# Altium PCB WSD_PCB.PcbDoc (part 2 of 2)
Units mm, origin at the board's own origin, x right, y up, seen from the top; angles counter-clockwise.
Board outline 95 x 105 mm, 4 copper layers (Top Layer, Int1 (GND), Int2 (PWR), Bottom Layer), stack 1.369 mm thick; 133 components, 91 nets, 452 pads, 493 vias.
Unrouted connection lines stored in the file: 1.
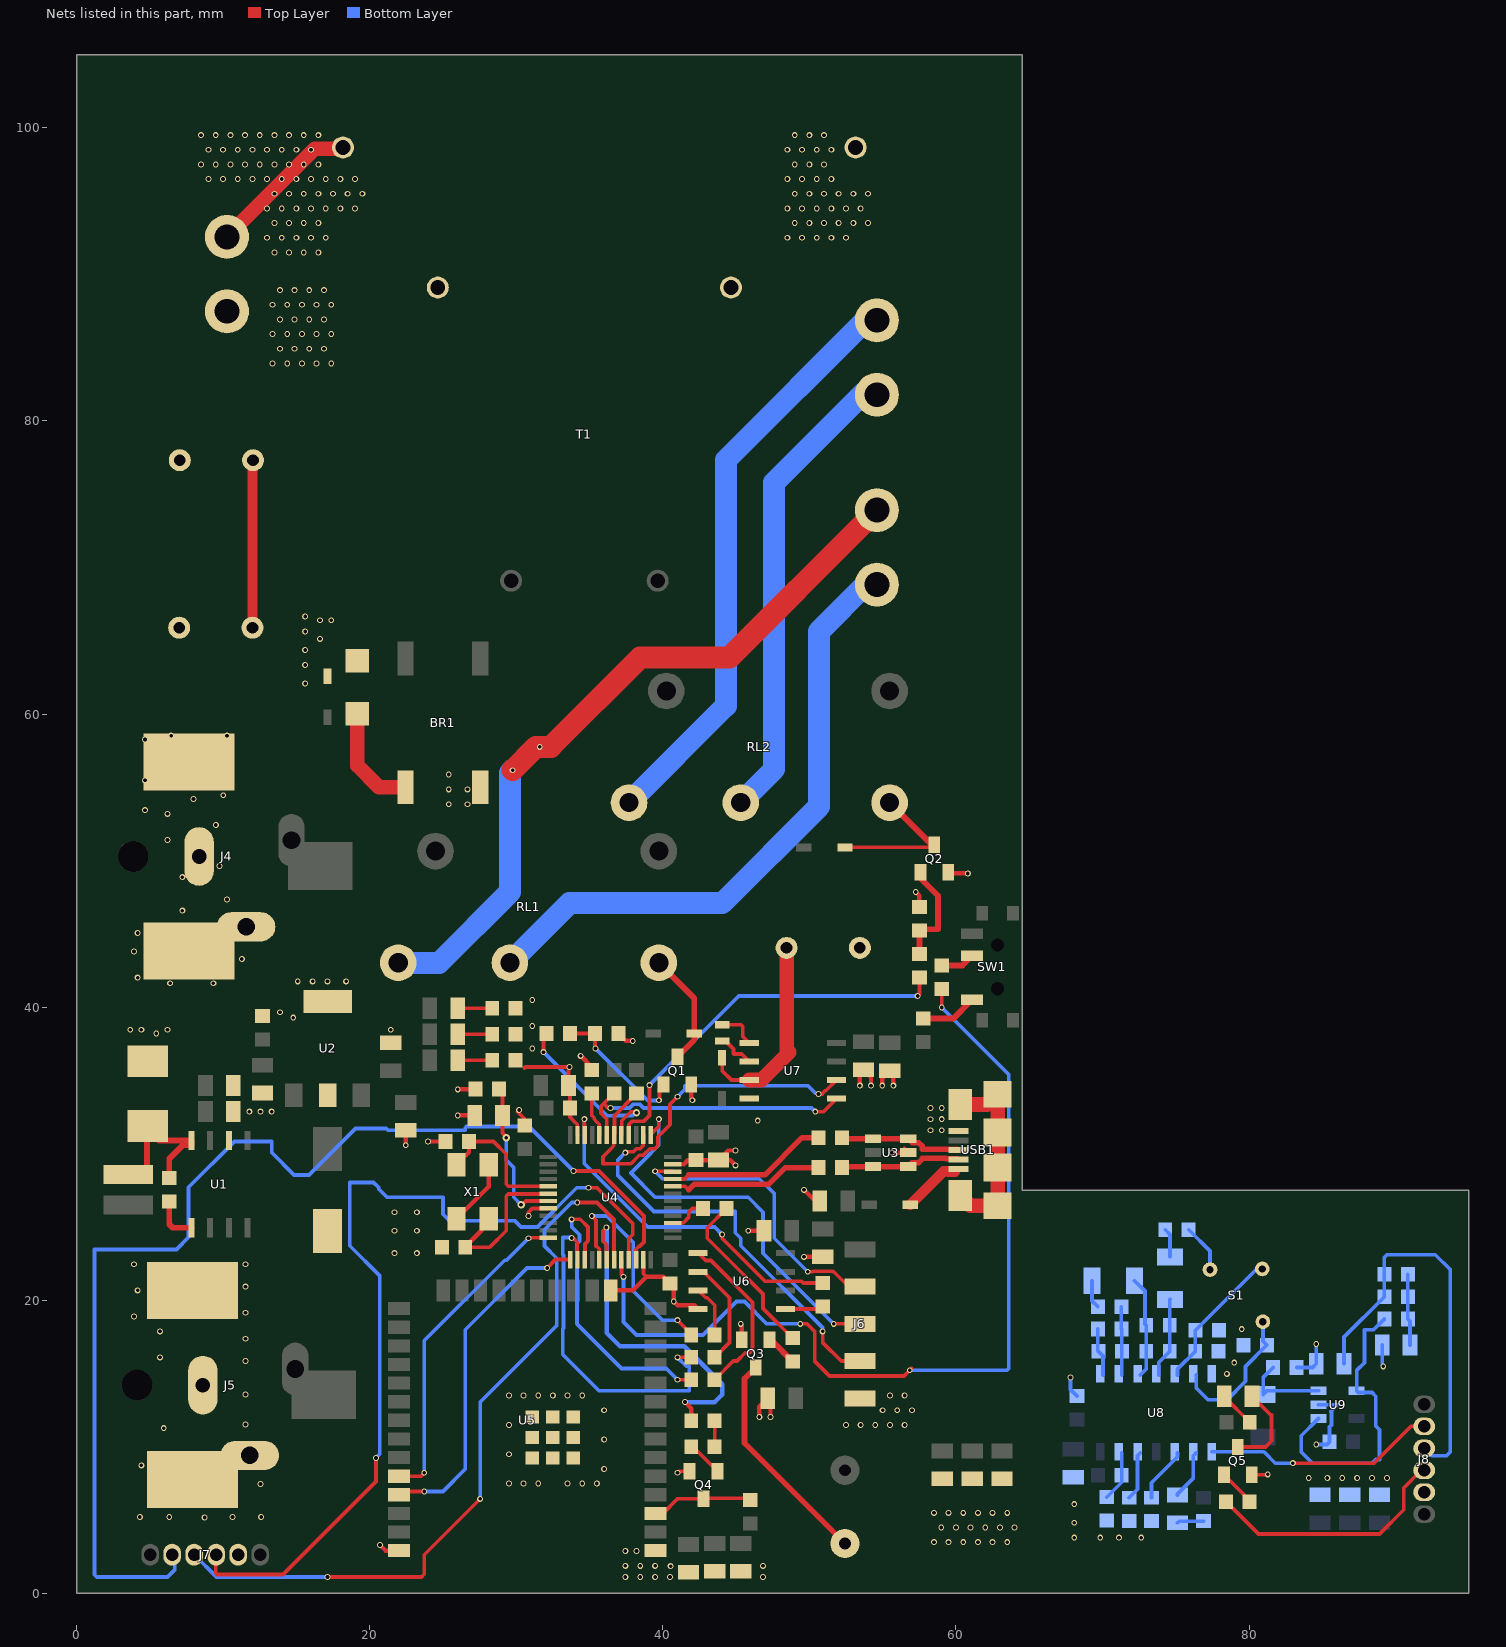
[diagram p4: the nets of this part, all layers, seen from the top]

## Via types
v1: diameter 0.4, hole 0.254, Top Layer to Bottom Layer, tented both sides, 446 vias
v2: diameter 0.5, hole 0.254, Top Layer to Bottom Layer, tented both sides, 45 vias
v3: diameter 0.4, hole 0.254, Top Layer to Bottom Layer, 2 vias

## Nets (pads, with @x,y where several pads share a name; then routed paths per layer and width w, separated by ;. In a path a pad name is that pad's centre, name@x,y a point inside that pad or via, vN(x,y) a via of type N, cw(c..) or ccw(c..) an arc to the next point about the centre after c; other vN are vias at no path point) (continued)
AC_LINE_1: J1.1 R1.1 | length 10.4
  Top Layer w1: J1.1@10.266,92.562 16.266,98.562 18.083,98.562 R1.1@18.179,98.658
  other v1: 13.5,91.5 14.5,91.5 15.5,91.5 16.5,91.5 13,92.5 14,92.5 15,92.5 16,92.5 17,92.5 13.5,93.5 14.5,93.5 15.5,93.5 16.5,93.5 13,94.5 14,94.5 15,94.5 16,94.5 17,94.5 18,94.5 19,94.5 13.5,95.5 14.5,95.5 15.5,95.5 16.5,95.5 17.5,95.5 18.5,95.5 19.5,95.5 9,96.5 10,96.5 11,96.5 12,96.5 13,96.5 14,96.5 15,96.5 16,96.5 17,96.5 18,96.5 19,96.5 8.5,97.5 9.5,97.5 10.5,97.5 11.5,97.5 12.5,97.5 13.5,97.5 14.5,97.5 15.5,97.5 16.5,97.5 9,98.5 10,98.5 11,98.5 12,98.5 13,98.5 14,98.5 15,98.5 16,98.5 8.5,99.5 9.5,99.5 10.5,99.5 11.5,99.5 12.5,99.5 13.5,99.5 14.5,99.5 15.5,99.5 16.5,99.5
AC_LINE_2: J1.2 T1.5
  other v1: 13.378,83.926 14.378,83.926 15.378,83.926 16.378,83.926 17.378,83.926 13.878,84.926 14.878,84.926 15.878,84.926 16.878,84.926 13.378,85.926 14.378,85.926 15.378,85.926 16.378,85.926 17.378,85.926 13.878,86.926 14.878,86.926 15.878,86.926 16.878,86.926 13.378,87.926 14.378,87.926 15.378,87.926 16.378,87.926 17.378,87.926 13.878,88.926 14.878,88.926 15.878,88.926 16.878,88.926
AC_RES: R1.2 T1.1
  other v1: 48.5,92.5 49.5,92.5 50.5,92.5 51.5,92.5 52.5,92.5 49,93.5 50,93.5 51,93.5 52,93.5 53,93.5 54,93.5 48.5,94.5 49.5,94.5 50.5,94.5 51.5,94.5 52.5,94.5 53.5,94.5 49,95.5 50,95.5 51,95.5 52,95.5 53,95.5 54,95.5 48.5,96.5 49.5,96.5 50.5,96.5 51.5,96.5 49,97.5 50,97.5 51,97.5 48.5,98.5 49.5,98.5 50.5,98.5 51.5,98.5 49,99.5 50,99.5 51,99.5
BOOT0: R7.2 U4.44 | length 3.1
  Top Layer w0.254: R7.2@35.158,34.104 35.158,32.618 35.319,32.457 35.319,32.355 35.465,32.21 35.658,32.016 35.658,31.757 35.658,31.752 35.678,31.752 U4.44@35.678,31.279
BR_FUSE: BR1.3 F1.1 | length 7.4
  Top Layer w1: F1.1@19.156,60.028 19.156,56.494 20.637,55.013 BR1.3@22.448,55.013
BUZZER: R12.1 R17.1 | length 11.8
  Top Layer w0.254: R12.1@44.34,26.268 43.032,24.96 43.032,24.236 44.81,22.458 46.842,20.426 46.842,19.448 R17.1@48.874,17.416
BZ_TR_B: Q3.1 R17.2 | length 2.2
  Top Layer w0.4: Q3.1@47.284,17.307 47.383,17.307 R17.2@48.874,15.816
BZ_TR_C: BZ1.2 Q3.3 | length 15.2
  Top Layer w0.4: Q3.3@46.334,15.417 45.572,14.655 45.572,10.266 BZ1.2@52.43,3.408
FUSE_CAP: C1.1 C2.1 D3.1 F1.2 | length 11.4
  Top Layer w0.7: C1.1@12.004,65.892 12.004,77.225 cw(c12.141,77.225) C2.1@12.044,77.322
  other v1: 15.6,62.082 15.6,63.352 15.6,64.368 16.616,65.13 15.6,65.638 16.616,66.4 17.378,66.4 15.6,66.654
GND: BR1.4 C1.2 C2.2 C4.1 C5.1 C6.2 C7.1 C8.1 C9.1 C10.1 C11.1 C12.1 C13.1 C14.1 C15.1 C16.1 C17.1 C18.1 C19.1 C20.1 C21.1 C22.1 C23.1 C24.1 C25.1 C26.1 C27.1 C28.1 C29.1 C30.2 C31.1 C32.1 D4.1 J4.2 J4.3 J5.2 J5.3 J6.5 J7.2 Q1.2 Q2.2 Q3.2 Q4.2 R4.1 R5.1 R7.1 R13.1 R38.1 R39.1 R40.1 U1.6 U2.2 U3.2 U4.8 U4.23 U4.35 U4.47 U5.1 U5.15 U5.38 U5.39 U6.4 U7.4 USB1.5 USB1.SH X1.2 | length 70.9
  Top Layer w0.254: v1(30.199,32.993) 30.078,32.872 30.586,32.364 C18.1@30.586,31.932 ; v1(30.84,25.76) 30.84,26.014 31.086,26.26 32.158,26.26 U4.8@32.178,26.279 ; C15.1@33.568,34.65 33.672,34.546 C20.1@33.672,33.126 33.672,32.502 33.965,32.21 34.158,32.016 34.158,31.299 U4.47@34.178,31.279 ; U4.23@38.678,22.779 38.678,21.812 38.886,21.604 ; U4.35@40.678,29.279 41.404,29.279 41.428,29.303 ; v1(41,8.234) 41.112,8.346 Q4.2@41.828,8.346
  Top Layer w0.3: v3(20.701,3.302) 21.079,2.924 U5.38@21.988,2.924 ; v1(22.458,30.586) C13.1@22.458,31.602 ; v1(23.982,30.84) C21.1@25.176,30.84 ; X1.2@25.93,25.561 28.13,27.761 X1.2@28.13,29.261 ; v1(26.014,32.618) C23.1@27.162,32.618 ; v1(26.014,34.396) 26.032,34.414 R13.1@27.212,34.414 ; 30.562,35.857 30.625,35.92 v1(33.634,35.92) 33.568,35.854 C15.1@33.568,34.65 ; v1(34.396,36.682) 35.158,35.92 R7.1@35.158,35.704 ; U5.15@36.453,20.684 37.966,20.684 38.886,21.604 40.038,21.604 C17.1@40.492,21.15 40.746,20.896 v1(40.746,19.918) 41,19.664 42.162,19.664 U6.4@42.416,19.41 ; R4.1@36.974,38.206 37.482,37.698 v1(37.952,37.698) ; 41.428,29.303 41.44,29.291 41.631,29.483 41.631,29.506 41.695,29.57 C19.1@42.27,29.57 C16.1@43.794,29.57 ; Q1.2@41.95,34.721 41.95,33.7 42.005,33.645 v1(42.016,33.656) ; v1(44.958,29.21) 44.598,29.57 C16.1@43.794,29.57 ; v1(44.958,30.226) 44.45,30.226 C16.1@43.794,29.57 ; v1(45.318,18.394) 45.384,18.328 Q3.2@45.384,17.307 ; v1(45.826,24.744) C32.1@46.908,24.744 ; v1(46.588,12.044) 46.588,12.74 C27.1@47.162,13.314 47.35,13.126 v1(47.35,12.044) ; v1(49.636,22.966) C31.1@50.906,22.966 ; v1(49.636,27.538) 50.398,26.776 C7.1@50.718,26.776 ; v1(53.446,34.65) 53.446,35.478 C29.1@53.7,35.732 54.208,35.224 v1(54.208,34.65) ; v1(54.97,34.65) 54.97,35.158 C28.1@55.478,35.666 55.732,35.412 v1(55.732,34.65) ; v1(55.642,30.078) 56.24,30.078 56.494,30.332 U3.2@56.748,30.078 ; v1(57.256,47.858) 57.51,47.604 R5.1@57.51,46.842 ; Q2.2@59.476,49.199 59.547,49.128 v1(60.812,49.128)
  Top Layer w1: USB1.SH@60.294,27.162 60.994,26.462 USB1.SH@62.844,26.462 USB1.SH@62.844,29.062 USB1.SH@62.844,31.462 USB1.SH@62.844,34.062 62.144,33.362 USB1.SH@60.294,33.362
  other v1: 37.444,1.122 38.46,1.122 39.476,1.122 40.492,1.122 46.842,1.122 40.538,1.864 37.444,1.884 38.46,1.884 39.476,1.884 46.842,1.884 37.444,2.9 38.206,2.9 58.5,3.5 59.5,3.5 60.5,3.5 61.5,3.5 62.5,3.5 63.5,3.5 59,4.5 60,4.5 61,4.5 62,4.5 63,4.5 64,4.5 8.742,5.186 4.32,5.218 6.325,5.218 10.635,5.218 12.598,5.218 58.5,5.5 59.5,5.5 60.5,5.5 61.5,5.5 62.5,5.5 63.5,5.5 12.552,7.472 29.5,7.5 30.5,7.5 31.5,7.5 33.5,7.5 34.5,7.5 35.5,7.5 36,8.5 4.424,8.742 29.5,9.5 36,10.5 5.948,11.282 29.5,11.5 52.5,11.5 53.5,11.5 54.5,11.5 55.5,11.5 56.5,11.5 11.536,11.536 36,12.5 55,12.5 56,12.5 57,12.5 29.5,13.5 30.5,13.5 31.5,13.5 32.5,13.5 33.5,13.5 34.5,13.5 55.5,13.5 56.5,13.5 11.536,13.568 11.536,15.854 5.694,16.108 11.536,17.378 5.694,17.886 3.916,18.902 11.536,19.156 4.17,20.68 11.536,20.934 3.916,22.458 11.536,22.458 21.696,23.22 23.22,23.22 21.696,24.744 23.22,24.744 21.696,26.014 23.22,26.014 58.272,31.602 59.034,31.602 46.482,32.258 58.272,32.355 59.034,32.364 11.79,32.872 12.552,32.872 13.314,32.872 58.272,33.126 59.034,33.126 31.094,37.19 5.44,38.206 3.662,38.46 4.424,38.46 6.202,38.46 21.442,38.46 31.094,38.714 14.782,39.29 13.882,39.66 31.094,40.492 6.389,41.636 9.337,41.636 15.092,41.762 16.108,41.762 17.124,41.762 18.394,41.762 4.17,42.016 11.282,43.286 3.916,43.794 4.17,45.064 7.218,46.588 10.266,47.35 7.218,48.874 9.758,49.636 6.202,51.414 9.504,52.43 6.202,53.192 4.678,53.446 25.4,53.848 26.67,53.848 7.98,54.208 10.012,54.462 25.4,54.864 26.67,54.864 4.678,55.478 25.4,55.88 4.678,58.272 6.456,58.526 10.266,58.526
GND_S: C35.1 C37.2 C39.1 C40.1 C41.1 C42.1 C43.1 C44.1 C45.1 C46.2 C47.1 J8.2 Q5.2 R27.1 R29.1 R31.1 R32.1 R37.1 S1.3 U8.7 U9.2 | length 15.2
  Top Layer w0.254: Q5.2@80.185,8.105 81.257,8.105 v1(81.28,8.128)
  Bottom Layer w0.254: v1(67.818,14.732) 67.818,13.908 C39.1@68.26,13.466 ; R31.1@75.88,24.82 77.335,23.365 S1.3@77.335,22.096 ; R37.1@83.246,15.422 84.328,15.422 C47.1@84.582,15.676 v1(84.582,17.018) ; v1(84.582,10.16) 85.311,10.16 C45.1@85.494,10.342 85.494,11.369 85.62,11.495 85.62,12.369 85.575,12.414 86.04,12.879 86.037,12.882 U9.2@84.74,12.882 ; C46.2@89.083,16.946 89.083,15.565 v1(89.154,15.494)
  other v1: 68.072,3.81 69.85,3.81 71.12,3.81 72.644,3.81 68.072,4.826 68.072,6.096 84.074,7.874 85.344,7.874 86.36,7.874 87.376,7.874 88.392,7.874 89.408,7.874 78.486,14.986 78.994,15.748 79.502,18.034
LDRV_TR_B: Q5.1 R30.2 | length 2.6
  Top Layer w0.254: Q5.1@78.285,8.105 80.035,6.355 R30.2@80.035,6.266
LDRV_TR_C: D7.2 Q5.3 | length 6.1
  Top Layer w0.254: Q5.3@79.235,9.995 81.115,9.995 81.534,10.414 81.534,12.192 81.468,12.192 D7.2@80.198,13.462
LED: D8.2 U8.9 | length 3.4
  Bottom Layer w0.254: D8.2@75.118,6.72 75.118,6.792 76.2,7.874 76.2,9.393 U8.9@76.388,9.58
LED_DRIVER: J7.3 U4.21 | length 62.2
  Top Layer w0.254: J7.3@9.528,2.646 9.504,2.622 9.504,1.376 9.583,1.297 14.078,1.297 20.426,7.645 v1(20.426,9.25) ; v1(34.925,27.686) 35.518,27.686 37.952,25.252 37.952,24.49 37.678,24.216 U4.21@37.678,22.779
  Bottom Layer w0.254: v1(20.426,9.25) 20.68,9.504 20.68,21.696 18.648,23.728 18.648,28.046 20.27,28.046 20.624,27.692 20.624,27.594 21.188,27.03 24.998,27.03 24.998,25.871 25.43,25.439 29.891,25.439 30.332,24.998 31.447,24.998 34.135,27.686 v1(34.925,27.686)
LED_S: J8.3 R30.1 | length 17.1
  Top Layer w0.254: R30.1@78.435,6.266 80.637,4.064 88.9,4.064 90.548,5.712 90.548,7.203 91.751,8.406 J8.3@91.948,8.406
LIGHT_1_GND: J2.2 RL1.3 | length 50
  Top Layer w1.5: v1(29.755,56.171) 31.348,57.764 v1(31.602,57.764) 32.364,57.764 38.46,63.86 44.556,63.86 53.954,73.258 J2.2@53.954,74.02
  Bottom Layer w1.5: RL1.3@21.95,43.032 24.744,43.032 29.57,47.858 29.57,55.986 v1(29.755,56.171)
LIGHT_1_VCC: J2.1 RL1.2 | length 42.1
  Bottom Layer w1.5: RL1.2@29.57,43.032 33.634,47.096 44.048,47.096 50.652,53.7 50.652,65.638 J2.1@53.954,68.94
LIGHT_2_GND: J3.2 RL2.3 | length 40
  Bottom Layer w1.5: RL2.3@37.698,53.954 44.302,60.558 44.302,77.322 J3.2@54.102,87.122
LIGHT_2_VCC: J3.1 RL2.2 | length 31.7
  Bottom Layer w1.5: RL2.2@45.318,53.954 47.604,56.24 47.604,75.798 53.7,81.894 J3.1@53.954,81.894
LM_CB: C3.1 U1.1 | length 3.2
  Top Layer w0.4: C3.1@6.325,26.746 6.325,25.186 6.559,24.952 U1.1@7.849,24.952
LM_VSW: C3.2 D4.2 L1.1 U1.8 | length 11.1
  Top Layer w0.4: L1.1@3.531,28.596 4.351,28.596 4.801,29.046 4.801,31.737 5.636,30.902 U1.8@7.849,30.902 7.849,30.595 7.844,30.59 7.254,30.59 6.325,29.661 C3.2@6.325,28.346
MCU_N: R9.1 U4.32 | length 10.7
  Top Layer w0.254: U4.32@40.678,27.779 41.521,27.779 41.762,27.538
  Top Layer w0.373: 41.762,27.538 42.151,27.927 47.231,27.927 48.366,29.062 R9.1@50.614,29.062
MCU_P: R11.1 U4.33 | length 11.1
  Top Layer w0.254: U4.33@40.678,28.279 41.487,28.279 41.762,28.554
  Top Layer w0.373: 41.762,28.554 46.971,28.554 49.511,31.094 R11.1@50.614,31.094
MCU_RLY_1: R2.1 U4.41 | length 12
  Top Layer w0.254: v1(31.856,36.936) 31.856,37.99 R2.1@32.072,38.206 ; U4.41@37.178,31.279 37.198,31.299 37.198,32.257 37.812,32.872 38.206,32.872 v2(38.206,32.79)
  Bottom Layer w0.254: v1(31.856,36.936) 36.174,32.618 36.186,32.618 36.208,32.596 36.648,32.596 36.67,32.618 37.952,32.618 38.165,32.831 v2(38.206,32.79)
MCU_RLY_2: R3.1 U4.40 | length 26.6
  Top Layer w0.254: U4.40@37.678,31.279 37.678,31.836 37.698,31.856 37.698,32.016 37.891,32.21 38.687,32.21 39.095,32.618 v1(39.095,34.684) ; v3(57.388,40.767) 57.51,40.889 R3.1@57.51,42.016
  Bottom Layer w0.254: v1(39.095,34.684) 45.178,40.767 v3(57.388,40.767) v3@57.423,40.767
NetC34_2: C34.2 R26.1 | length 1.9
  Bottom Layer w0.254: C34.2@69.289,21.342 69.289,19.96 R26.1@69.685,19.564
NetC38_1: C38.1 R31.2 | length 2
  Bottom Layer w0.254: R31.2@74.28,24.82 74.61,24.49 C38.1@74.61,22.968
NetD7_1: D7.1 R25.1 | length 2.5
  Top Layer w0.254: D7.1@78.298,13.462 78.298,13.434 R25.1@80.048,11.684
NetD9_2: D9.2 R38.2 | length 2.4
  Top Layer w0.254: D9.2@26.002,36.374 R38.2@28.362,36.374
NetD10_2: D10.2 R39.2 | length 2.4
  Top Layer w0.254: D10.2@26.002,38.152 R39.2@28.362,38.152
NetD11_2: D11.2 R40.2 | length 2.4
  Top Layer w0.254: D11.2@26.002,39.93 R40.2@28.362,39.93
NetR6_2: R6.2 U4.18 | length 23.8
  Top Layer w0.254: v1(36.148,24.972) 35.92,24.744 35.92,24.033 36.158,23.795 36.158,22.799 U4.18@36.178,22.779
  Top Layer w0.3: v1(41.508,13.06) 41.94,12.628 R6.2@41.94,11.79
  Bottom Layer w0.3: v1(36.148,24.972) 36.174,24.972 36.174,17.779 37.083,16.87 41.46,16.87 44.048,14.282 44.048,13.568 43.54,13.06 v1(41.508,13.06)
NetR12_2: R12.2 U4.27 | length 2.7
  Top Layer w0.254: U4.27@40.678,25.279 41.281,25.279 41.301,25.299 41.415,25.299 41.762,25.646 41.762,26.014 42.016,26.268 R12.2@42.74,26.268
NetR14_1: R14.1 SW1.1 | length 3.9
  Top Layer w0.4: R14.1@57.764,39.222 59.812,39.222 SW1.1@61.094,40.504
NRST: C23.2 R13.2 U4.7 | length 10.5
  Top Layer w0.254: R13.2@28.812,34.414 29.062,34.164 C23.2@29.062,32.618 29.062,31.415 29.316,31.161 v2(29.316,31.094) ; v2(30.332,26.522) 30.399,26.522 30.656,26.779 U4.7@32.178,26.779
  Bottom Layer w0.254: v2(29.316,31.094) 29.316,29.57 29.824,29.062 29.824,27.03 v2(30.332,26.522)
ONOFF_SW: R16.2 SW1.2 | length 2.3
  Top Layer w0.4: R16.2@59.034,42.854 60.444,42.854 SW1.2@61.094,43.504
OP1_N: C36.1 C38.2 R28.1 U8.4 | length 5.5
  Bottom Layer w0.254: U8.4@73.848,14.9 73.848,15.777 R28.1@74.587,16.516 C36.1@74.587,18.294 74.587,20.046 C38.2@74.61,20.068
OP1_O: C34.1 C36.2 R28.2 U8.3 | length 6.9
  Bottom Layer w0.254: C34.1@72.189,21.342 72.898,20.634 72.898,18.384 C36.2@72.987,18.294 R28.2@72.987,16.516 72.987,15.31 U8.3@72.578,14.9
OP2_N: C33.1 R23.1 R26.2 U8.2 | length 4.7
  Bottom Layer w0.254: R26.2@71.285,19.564 R23.1@71.285,18.04 71.323,18.002 C33.1@71.323,16.516 71.308,16.501 U8.2@71.308,14.9
OP2_O: C33.2 R23.2 U8.1 | length 3.3
  Bottom Layer w0.254: R23.2@69.685,18.04 69.685,16.554 C33.2@69.723,16.516 70.038,16.202 U8.1@70.038,14.9
OP_LED: D8.1 R33.1 | length 1.8
  Bottom Layer w0.254: D8.1@75.118,4.82 75.23,4.932 R33.1@76.896,4.932
OP_LED_EN: R29.2 U8.10 | length 3.8
  Bottom Layer w0.254: R29.2@73.34,6.532 73.34,7.554 75.118,9.332 U8.10@75.118,9.58
OP_MOD: R27.2 U8.12 | length 3.4
  Bottom Layer w0.254: R27.2@71.816,6.532 72.39,7.107 72.39,9.393 U8.12@72.578,9.58
OP_NEGtoOUT: R35.2 U9.1 U9.4 | length 20.4
  Bottom Layer w0.254: U9.1@84.74,11.932 83.566,10.759 83.566,9.652 84.328,8.89 88.392,8.89 88.646,9.144 88.9,9.144 88.9,11.176 88.646,11.43 88.646,13.462 88.392,13.716 87.456,13.716 U9.4@87.34,13.832 87.34,15.204 87.884,15.748 87.884,18.001 88.51,18.001 R35.2@89.233,18.724
OP_OSC: C35.2 R24.1 U8.13 | length 3.4
  Bottom Layer w0.254: C35.2@70.292,6.57 71.308,7.586 R24.1@71.308,8.056 U8.13@71.308,9.58
OP_POS: R37.2 RT1.2 U9.3 | length 6
  Bottom Layer w0.254: R37.2@81.646,15.422 80.96,14.736 RT1.2@80.96,13.57 81.222,13.832 U9.3@84.74,13.832
OP_TEMP: C46.1 R34.2 R35.1 R36.2 | length 4.9
  Bottom Layer w0.254: R34.2@90.833,21.772 R36.2@90.833,20.248 R35.1@90.833,18.724 90.983,18.574 C46.1@90.983,16.946
OSC_IN: C21.2 U4.5 X1.1 | length 9.9
  Top Layer w0.254: C21.2@26.776,30.84 28.443,30.84 29.316,29.967 29.316,27.928 29.465,27.779 U4.5@32.178,27.779
  Top Layer w0.3: X1.1@25.93,29.261 25.93,29.436 26.405,29.911 26.58,29.911 26.78,30.111 26.78,30.836 C21.2@26.776,30.84
OSC_OUT: C22.2 U4.6 X1.3 | length 11.2
  Top Layer w0.254: C22.2@26.522,23.63 28.202,23.63 29.316,24.744 29.316,27.111 29.465,27.26 32.158,27.26 U4.6@32.178,27.279
  Top Layer w0.3: C22.2@26.522,23.63 26.522,23.655 27.655,24.788 27.655,25.086 X1.3@28.13,25.561
PIRDETECT: J8.5 U8.8 | length 15.9
  Top Layer w0.254: v1(82.986,8.89) 88.525,8.89 91.041,11.406 J8.5@91.948,11.406
  Bottom Layer w0.254: U8.8@77.47,9.666 81.012,9.666 81.788,8.89 v1(82.986,8.89) v1@83.058,8.89
PIRDETECTOR: J7.5 U4.22 | length 80.3
  Top Layer w0.254: v1(33.909,28.829) 35.645,28.829 38.714,25.76 38.714,23.982 38.442,23.71 38.391,23.71 38.198,23.516 38.198,23.466 38.178,23.446 U4.22@38.178,22.779
  Bottom Layer w0.254: J7.5@6.528,2.646 6.71,2.464 6.71,1.63 6.202,1.122 1.376,1.122 1.225,1.273 1.225,23.474 6.816,23.474 7.644,24.302 7.644,27.71 10.774,30.84 13.314,30.84 13.314,30.078 14.838,28.554 15.854,28.554 19.031,31.731 21.124,31.731 21.253,31.602 26.522,31.602 26.522,31.778 26.612,31.868 30.87,31.868 v1(33.909,28.829)
PYRO_D: C37.1 S1.1 U8.6 | length 9.9
  Bottom Layer w0.254: U8.6@76.388,14.9 76.388,14.036 77.216,13.208 78.486,13.208 79.756,14.478 79.756,15.494 81.208,16.946 C37.1@81.214,16.946 80.945,17.215 S1.1@80.945,18.536
PYRO_S/OP1_P: C41.2 R32.2 S1.2 U8.5 | length 9.9
  Bottom Layer w0.254: U8.5@75.118,14.9 75.118,15.307 R32.2@76.327,16.516 76.327,17.94 C41.2@76.35,17.962 80.528,22.141 S1.2@80.905,22.141
RLY1_TR_B: Q1.1 R2.2 R4.2 | length 9.7
  Top Layer w0.254: R2.2@33.672,38.206 R4.2@35.374,38.206 35.374,37.228 v1(35.412,37.19) ; v1(39.73,33.656) 39.73,33.674 39.777,33.721 39.777,34.448 Q1.1@40.05,34.721
  Bottom Layer w0.254: v1(35.412,37.19) 38.968,33.634 39.73,33.634 v1(39.73,33.656)
RLY1_TR_C: D1.1 Q1.3 RL1.5 | length 7.9
  Top Layer w0.4: RL1.5@39.73,43.032 42.146,40.616 D1.1@42.146,38.206 42.146,37.757 Q1.3@41,36.611
RLY2_TR_B: Q2.1 R3.2 R5.2 | length 7.3
  Top Layer w0.4: R3.2@57.51,43.616 R5.2@57.51,45.242 57.586,45.318 58.78,45.318 58.78,47.604 57.576,48.808 Q2.1@57.576,49.199
RLY2_TR_C: D2.1 Q2.3 RL2.5 | length 10
  Top Layer w0.254: D2.1@52.43,50.906 58.16,50.906 Q2.3@58.343,51.089
  Top Layer w0.4: RL2.5@55.478,53.954 Q2.3@58.343,51.089
RTC_OSCI: U7.1 X2.2 | length 2.7
  Top Layer w0.254: X2.2@44.048,38.798 45.33,38.798 45.446,38.682 45.446,38.024 U7.1@45.899,37.571
RTC_OSCO: U7.2 X2.1 | length 2.6
  Top Layer w0.254: X2.1@44.048,37.698 44.285,37.698 44.825,37.158 44.825,36.833 44.848,36.809 45.391,36.809 U7.2@45.899,36.301
RTC_SCL: R8.2 U4.42 U7.6 | length 25.6
  Top Layer w0.254: R8.2@38.206,34.104 36.698,32.596 36.698,31.299 U4.42@36.678,31.279 36.658,31.26 36.658,30.543 36.465,30.349 35.92,29.804 35.92,29.316 37.823,29.316 38.399,29.892 38.654,29.892 39.111,30.349 39.465,30.349 39.658,30.543 39.658,31.151 40.492,31.985 40.492,33.38 v1(41,33.888) ; v1(50.624,34.084) 50.869,34.084 50.869,34.103 51.062,34.296 51.114,34.296 U7.6@51.849,35.031
  Bottom Layer w0.254: v1(41,33.888) 41.508,34.396 41.508,34.65 49.89,34.65 50.398,34.142
RTC_SDA: R10.2 U4.43 U7.5 | length 20.1
  Top Layer w0.254: U4.43@36.178,31.279 36.178,32.36 35.776,32.762 35.776,33.223 35.974,33.421 ; v1(36.428,33.126) 36.269,33.126 35.974,33.421 ; R10.2@36.682,34.104 36.657,34.104 35.974,33.421 ; v1(50.398,32.872) 50.96,32.872 U7.5@51.849,33.761
  Bottom Layer w0.254: v1(36.428,33.126) 37.722,33.126 37.966,33.37 38.446,33.37 38.69,33.126 50.144,33.126 v1(50.398,32.872)
RTC_VBAT: C30.1 D6.2 U7.3 | length 13.7
  Top Layer w0.254: D6.2@44.048,36.558 44.048,35.666 44.683,35.031 U7.3@45.899,35.031
  Top Layer w1: U7.3@45.899,35.031 46.715,35.031 48.62,36.936 48.446,37.11 C30.1@48.446,44.048
SENSOR_ONOFF: R16.1 U4.20 | length 63.4
  Top Layer w0.254: U4.20@37.178,22.779 37.178,21.748 v1(37.322,21.604) ; v1(49.382,18.394) 49.852,18.394 50.36,17.886 50.36,15.854 51.376,14.838 56.456,14.838 v1(56.847,15.229) v1@56.964,15.346 ; v1(59.034,39.984) R16.1@59.034,41.254
  Bottom Layer w0.254: v1(37.322,21.604) 37.322,18.516 38.206,17.632 42.74,17.632 45.026,19.918 45.572,19.918 47.096,18.394 v1(49.382,18.394) ; v1(56.847,15.229) 63.489,15.229 63.606,15.346 63.606,35.412 v1(59.034,39.984)
SWCLK: J6.3 U4.37 | length 27.3
  Top Layer w0.254: U4.37@39.178,31.279 39.201,31.302 39.201,31.341 39.73,31.87 v1(39.73,32.364) ; v1(51.668,18.394) J6.3@53.446,18.394
  Bottom Layer w0.254: v1(39.73,32.364) 39.73,30.586 38.714,29.57 37.825,28.681 39.476,27.03 45.826,27.03 46.842,26.014 46.842,23.22 v1(51.668,18.394)
SWDIO: J6.2 U4.34 | length 20.3
  Top Layer w0.254: v1(39.476,28.808) 39.932,28.808 39.941,28.799 40.658,28.799 U4.34@40.678,28.779 ; v1(49.89,21.95) 50.226,21.95 50.269,21.993 51.543,21.993 51.586,21.95 51.668,21.95 52.684,20.934 J6.2@53.446,20.934
  Bottom Layer w0.254: v1(39.476,28.808) 39.984,28.3 46.588,28.3 47.604,27.284 47.604,24.236 v1(49.89,21.95)
TDI: J6.4 U4.38 | length 27.5
  Top Layer w0.254: v1(37.444,30.078) 37.507,30.014 37.634,30.141 38.002,30.141 38.209,30.349 38.465,30.349 38.658,30.543 38.658,30.798 38.667,30.806 38.678,30.806 U4.38@38.678,31.279 ; v1(50.906,17.886) 50.906,17.124 52.176,15.854 J6.4@53.446,15.854
  Bottom Layer w0.254: v1(37.444,30.078) 36.936,29.57 36.936,28.513 39.391,26.058 44.94,26.058 44.94,24.614 45.318,24.236 45.318,23.728 50.906,18.14 v1(50.906,17.886)
TEMP_ADC: C47.2 J8.4 R34.1 R36.1 | length 27.9
  Bottom Layer w0.254: C47.2@86.482,15.676 86.482,17.497 R36.1@89.233,20.248 R34.1@89.233,21.772 89.233,22.939 89.408,23.114 92.71,23.114 93.726,22.098 93.726,9.652 93.472,9.398 92.456,9.398 J8.4@91.948,9.906
TEMP_IN_CS: R21.1 U4.14 | length 23.7
  Top Layer w0.254: v1(33.782,24.257) 33.867,24.257 34.158,23.966 34.158,23.516 34.158,22.799 U4.14@34.178,22.779 ; v1(41,16.108) R21.1@41.94,16.108
  Bottom Layer w0.254: v1(33.782,24.257) 33.755,24.284 33.174,24.284 33.174,23.108 33.219,23.063 33.219,18.095 33.174,18.05 33.174,16.314 35.666,13.822 41.801,13.822 41.801,15.508 41.6,15.508 v1(41,16.108)
TEMP_IN_OT: R22.1 U4.46 | length 23.9
  Top Layer w0.254: v1(34.65,32.364) 34.65,32.024 34.658,32.016 34.658,31.299 U4.46@34.678,31.279 ; v1(44.048,24.49) 44.048,24.236 46.981,21.303 49.462,21.303 49.577,21.188 R22.1@50.906,21.188
  Bottom Layer w0.254: v1(34.65,32.364) 34.65,29.316 38.968,24.998 43.54,24.998 v1(44.048,24.49)
TEMP_IN_SCLK: R19.1 U4.15 | length 20.5
  Top Layer w0.254: v1(33.782,25.527) 34.375,25.527 34.904,24.998 34.904,24.058 34.698,23.851 34.698,22.799 U4.15@34.678,22.779 ; v1(41,14.584) R19.1@41.94,14.584
  Bottom Layer w0.254: v1(33.782,25.527) 33.782,25.007 34.312,24.477 34.312,24.037 34.142,23.867 34.142,18.394 37.19,15.346 40.238,15.346 v1(41,14.584)
TEMP_IN_SIO: R20.1 U4.17 | length 15.3
  Top Layer w0.254: v1(35.158,25.76) 35.449,25.469 35.449,23.71 35.463,23.71 35.465,23.71 35.658,23.516 35.658,23.325 35.658,22.799 U4.17@35.678,22.779 ; v1(41,18.648) 41.94,17.708 R20.1@41.94,17.632
  Bottom Layer w0.254: v1(35.158,25.76) 36.174,25.76 37.987,23.947 37.987,20.645 39.984,18.648 v1(41,18.648)
TEMPERATURE_ADC: J7.4 U4.19 | length 52.7
  Top Layer w0.254: v1(17.124,1.122) 23.546,1.122 23.728,1.304 23.728,2.646 v1(27.538,6.456) ; v1(34.163,26.67) 35.518,26.67 36.678,25.51 U4.19@36.678,22.779
  Bottom Layer w0.254: J7.4@8.028,2.646 9.552,1.122 v1(17.124,1.122) ; v1(27.538,6.456) 27.538,13.06 32.762,18.284 32.762,22.874 31.928,23.708 31.928,24.816 33.782,26.67 v1(34.163,26.67)
TMP_CS: R21.2 U6.2 | length 7.4
  Top Layer w0.254: U6.2@42.416,21.95 42.778,21.95 44.556,20.172 44.556,17.124 R21.2@43.54,16.108
TMP_OT: R22.2 U6.5 | length 2.6
  Top Layer w0.3: U6.5@48.366,19.41 50.728,19.41 R22.2@50.906,19.588
TMP_SCLK: R19.2 U6.1 | length 11.8
  Top Layer w0.254: U6.1@42.416,23.22 42.924,22.712 43.286,22.712 46.123,19.875 46.123,19.065 46.114,19.056 46.114,16.615 45.921,16.422 45.632,16.422 45.064,15.854 44.81,15.854 R19.2@43.54,14.584
TMP_SIO: R20.2 U6.3 | length 3.6
  Top Layer w0.254: U6.3@42.416,20.68 42.924,20.172 43.032,20.172 43.54,19.664 R20.2@43.54,17.632
USB_N: R9.2 U3.1 U3.6 USB1.2 | length 8.3
  Top Layer w0.373: R9.2@52.214,29.062 52.28,29.128 U3.6@54.348,29.128 U3.1@56.748,29.128 57.008,29.388 57.459,29.388 57.688,29.617 57.688,29.695 59.31,29.695 59.333,29.672 60.109,29.672 USB1.2@60.169,29.612
USB_P: R11.2 U3.3 U3.4 USB1.3 | length 8.4
  Top Layer w0.373: R11.2@52.214,31.094 52.28,31.028 U3.4@54.348,31.028 U3.3@56.748,31.028 57.008,30.768 57.459,30.768 57.688,30.539 57.688,30.322 60.109,30.322 USB1.3@60.169,30.262
VUSB: D5.1 USB1.1 | length 4
  Top Layer w0.7: D5.1@56.878,26.522 59.162,28.806 59.419,28.806 59.46,28.765 USB1.1@59.919,28.765
WIFI_EN: R6.1 R18.1 | length 1.8
  Top Layer w0.254: R18.1@43.54,10.012 R6.1@43.54,11.79
WIFI_OUT: Q4.3 R15.2 U5.3 | length 6.9
  Top Layer w0.254: U5.3@39.488,5.464 40.008,5.464 41,6.456 Q4.3@42.778,6.456 42.816,6.494 R15.2@45.974,6.494
WIFI_RXD: U4.12 U5.34 | length 22.2
  Top Layer w0.254: U5.34@21.988,8.004 23.498,8.004 v1(23.728,8.234) ; v1(30.84,24.236) 30.883,24.279 U4.12@32.178,24.279
  Bottom Layer w0.254: v1(23.728,8.234) 23.728,17.251 29.21,22.733 29.337,22.733 v1(30.84,24.236)
WIFI_TR_B: Q4.1 R18.2 | length 2.5
  Top Layer w0.254: R18.2@41.94,10.012 42.062,10.012 Q4.1@43.728,8.346
WIFI_TXD: U4.13 U5.35 | length 23.9
  Top Layer w0.254: U5.35@21.988,6.734 22.218,6.964 v1(23.728,6.964) ; v1(32.11,22.204) 32.685,22.779 U4.13@33.678,22.779
  Bottom Layer w0.254: v1(23.728,6.964) 24.998,6.964 26.522,8.488 26.522,17.99 30.736,22.204 v1(32.11,22.204)
pads on no net: J4. J5. J7.6 J8.6 RL1.1 RL2.1 SW1. SW1.3 U1.2 U1.3 U1.5 U4.2 U4.3 U4.4 U4.9 U4.10 U4.11 U4.16 U4.25 U4.26 U4.28 U4.29 U4.30 U4.31 U4.39 U4.45 U5.4 U5.5 U5.6 U5.7 U5.8 U5.9 U5.10 U5.11 U5.12 U5.13 U5.14 U5.16 U5.17 U5.18 U5.19 U5.20 U5.21 U5.22 U5.23 U5.24 U5.25 U5.26 U5.27 U5.28 U5.29 U5.30 U5.31 U5.32 U5.33 U5.36 U5.37 U6.6 U6.7 U7.7 U8.11 USB1.4

## Polygon pours and split planes (outlines as drawn)
12VDC on Top Layer "12VDC_L01_P015" (solid, pour order 15): 26.014,47.096 26.014,52.938 ccw(c25.572,52.497) 25.572,53.121 18.116,53.121 18.116,60.365 ccw(c17.461,60.365) 17.924,60.829 cw(c17.883,60.869) 17.883,60.812 13.06,60.812 13.06,47.096
GND on Top Layer "GND_L01_P022" (solid, pour order 22): 51.414,14.076 57.51,14.076 57.51,11.028 57.51,10.774 57.51,10.52 51.414,10.52
GND on Top Layer "GND_L01_P021" (solid, pour order 21): 16.298,33.19 16.298,39.263 16.325,39.29 18.279,39.29 18.279,33.19 16.271,33.19
GND on Top Layer "GND_L01_P007" (solid, pour order 7): 28.808,13.822 36.428,13.822 36.428,6.964 28.808,6.964
GND on Top Layer "GND_L01_P017" (solid, pour order 17): 58.018,8.488 64.368,8.488 64.368,2.646 58.018,2.646
GND on Top Layer "GND_L01_P016" (solid, pour order 16): 37.19,3.408 40.492,3.408 40.538,3.362 40.538,2.05 46.246,2.05 47.35,2.05 47.35,0.892 37.19,0.892
5VDC on Top Layer "5VDC_L01_P014" (solid, pour order 14): 1.63,27.284 5.44,27.284 5.44,24.998 1.63,24.998
GND on Top Layer "GND_L01_P013" (solid, pour order 13): 14.302,10.266 14.33,10.238 14.33,4.678 3.678,4.678 3.678,4.948 3.678,10.266
GND on Top Layer "GND_L01_P012" (solid, pour order 12): 5.503,10.266 5.503,18.331 5.44,18.394 3.662,18.394 3.662,22.652 3.596,22.718 3.844,22.966 11.79,22.966 11.79,10.3 11.756,10.266
GND on Top Layer "GND_L01_P008" (solid, pour order 8): 21.188,3.408 23.22,3.408 23.22,1.884 22.966,1.63 21.238,1.63 21.238,3.374
5VDC on Top Layer "5VDC_L01_P006" (solid, pour order 6): 11.028,29.824 14.584,29.824 14.584,23.474 11.028,23.474
LM_VSW on Top Layer "LM_VSW_L01_P003" (solid, pour order 3): 1.376,33.096 7.442,33.096 7.472,33.126 7.472,27.792 1.416,27.792 1.376,27.792
12VDC on Top Layer "12VDC_L01_P001" (solid, pour order 1): 10.012,29.824 10.012,36.682 7.726,36.682 7.726,31.677 8.488,31.677 8.488,29.824
GND_S on Bottom Layer "GND_S_L04_P023" (solid, pour order 23): 89.916,6.096 83.566,6.096 83.566,8.382 89.916,8.382
5VDC on Bottom Layer "5VDC_L04_P020" (solid, pour order 20): 51.922,28.046 51.922,22.204 54.97,22.204 54.97,28.046 52.176,28.046
GND on Bottom Layer "GND_L04_P018" (solid, pour order 18): 51.414,14.076 57.51,14.076 57.51,11.028 57.51,10.774 57.51,10.52 51.414,10.52
5VDC on Bottom Layer "5VDC_L04_P019" (solid, pour order 19): 54.716,16.113 54.716,24.49 63.098,24.49 63.098,16.113
GND on Bottom Layer "GND_L04_P011" (solid, pour order 11): 37.19,3.408 40.492,3.408 40.538,3.362 40.538,2.05 46.246,2.05 47.35,2.05 47.35,0.892 37.19,0.892
12VDC on Bottom Layer "12VDC_L04_P000" (solid, pour order 0): 26.014,47.096 26.014,52.938 ccw(c25.572,52.497) 25.572,53.121 18.116,53.121 18.116,60.365 ccw(c17.461,60.365) 17.924,60.829 cw(c17.883,60.869) 17.883,60.812 13.06,60.812 13.06,47.096
5VDC on Bottom Layer "5VDC_L04_P005" (solid, pour order 5): 1.63,27.284 5.44,27.284 5.44,24.998 1.63,24.998
GND on Bottom Layer "GND_L04_P009" (solid, pour order 9): 14.302,10.266 14.33,10.238 14.33,4.678 3.678,4.678 3.678,4.948 3.678,10.266
GND on Bottom Layer "GND_L04_P010" (solid, pour order 10): 5.503,10.266 5.503,18.331 5.44,18.394 3.662,18.394 3.662,22.652 3.596,22.718 3.844,22.966 11.79,22.966 11.79,10.3 11.756,10.266
3V3DC on Int2 (PWR) (split plane): 63.888,3.256 36.53,3.256 36.53,28.554 36.522,28.593 36.5,28.626 36.467,28.648 36.428,28.656 18.75,28.656 18.75,35.818 30.332,35.818 30.371,35.826 30.404,35.848 30.426,35.881 30.434,35.92 30.434,39.378 49.87,39.378 49.89,39.374 49.929,39.382 49.962,39.404 49.984,39.437 49.992,39.476 49.992,55.63 63.888,55.63
5VDC on Int2 (PWR) (split plane): 25.975,37.479 18.14,37.479 18.101,37.471 18.068,37.449 18.046,37.416 18.038,37.377 18.038,27.538 18.046,27.499 18.068,27.466 18.101,27.444 18.14,27.436 23.372,27.436 23.372,10.368 1.478,10.368 1.478,38.866 25.975,38.866
12VDC on Int2 (PWR) (split plane): 94.386,0.718 65.888,0.718 65.888,26.837 94.386,26.837
no net on Int2 (PWR) (split plane): 64.006,104.267 0.51,104.267 0.51,104.49 64.006,104.49
12VDC on Int2 (PWR) (split plane): 64.006,55.831 63.99,55.834 49.89,55.834 49.851,55.826 49.818,55.804 49.796,55.771 49.788,55.732 49.788,39.582 30.332,39.582 30.293,39.574 30.26,39.552 30.238,39.519 30.23,39.48 30.23,36.022 18.648,36.022 18.609,36.014 18.576,35.992 18.554,35.959 18.546,35.92 18.546,28.554 18.554,28.515 18.576,28.482 18.609,28.46 18.648,28.452 36.326,28.452 36.326,3.154 36.334,3.115 36.356,3.082 36.389,3.06 36.428,3.052 63.99,3.052 64.029,3.06 64.062,3.082 64.084,3.115 64.092,3.154 64.092,27.216 64.155,27.139 64.232,27.076 64.321,27.028 64.416,26.999 64.516,26.99 65.582,26.99 65.575,26.978 65.567,26.939 65.575,26.9 65.597,26.867 65.63,26.845 65.669,26.837 65.684,26.837 65.684,0.616 65.692,0.577 65.714,0.544 65.747,0.522 65.786,0.514 94.488,0.514 94.49,0.515 94.49,0.51 0.51,0.51 0.51,65.532 29.591,65.532 29.591,60.96 33.655,60.96 33.655,65.532 64.006,65.532
GND_S on Int1 (GND) (split plane): 94.386,0.61 65.888,0.61 65.888,26.822 94.386,26.822
GND on Int1 (GND) (split plane): 64.006,27.5 64.015,27.4 64.044,27.305 64.092,27.216 64.155,27.139 64.232,27.076 64.321,27.028 64.416,26.999 64.516,26.99 65.71,26.99 65.692,26.963 65.684,26.924 65.684,0.51 0.51,0.51 0.51,104.49 64.006,104.49

## Keep-outs
Keep-Out Layer:
  the board outline again, w0.5

## Other copper
Top Layer:
  region net GND: 45.251,33.915 45.339,33.827 45.339,32.004 47.117,32.004 47.117,34.036 45.339,34.036 45.339,33.274
  region net AC_BR_1: 26.014,64.114 cw(c28.3,64.114) 28.3,66.4 35.412,66.4 ccw(c35.412,67.924) 36.936,67.924 36.936,69.194 cw(c39.476,69.194) 39.476,71.734 41.254,71.734 cw(c41.254,71.226) 41.762,71.226 41.762,66.4 cw(c41,66.654) 40.746,65.892 36.174,65.638 ccw(c36.428,63.098) 33.888,62.844 cw(c32.11,62.844) 32.11,61.066 26.268,61.066 cw(c26.268,61.32) 26.014,61.32 26.014,61.828
  region net AC_BR_2: 21.696,61.066 ccw(c21.696,63.352) 23.982,63.352 23.982,64.876 cw(c26.522,64.876) 26.522,67.416 29.316,67.416 ccw(c29.316,69.956) 31.856,69.956 ccw(c30.84,69.956) 30.84,70.972 22.458,70.972 ccw(c22.458,69.194) 20.68,69.194 20.68,62.082 ccw(c21.696,62.082)
  region net FUSE_CAP: 16.324,61.443 19.56,61.443 ccw(c19.56,61.861) 19.856,61.565 ccw(c18.48,62.941) 20.426,62.941 20.426,64.995 ccw(c19.923,64.995) 20.279,65.35 19.211,66.418 ccw(c17.415,64.622) 17.415,67.162 11.028,67.162 10.7,66.834 ccw(c11.133,66.4) 10.52,66.4 10.52,62.187 ccw(c11.387,62.187) 10.774,61.574 ccw(c10.914,61.714) 10.914,61.516 16.324,61.516
  region net AC_RES: 42.016,98.15 cw(c44.556,98.15) 44.556,100.69 52.938,100.69 cw(c52.938,98.658) 54.97,98.658 54.97,94.34 cw(c52.43,94.34) 52.43,91.8 49.89,91.8 ccw(c49.89,90.022) 48.112,90.022 48.112,88.498 cw(c46.588,88.498) 46.588,86.974 43.032,86.974 cw(c43.032,87.99) 42.016,87.99
  region net AC_LINE_1: 7.726,100.182 cw(c8.234,100.182) 8.234,100.69 19.664,100.69 cw(c19.664,100.182) 20.172,100.182 20.172,90.784 7.726,90.784
  region net GND: 28.554,53.446 28.554,56.441 28.601,56.488 25.114,56.488 25.114,53.446 24.998,53.446 25.252,53.446
  region net GND: 10.184,30.252 10.389,30.457 10.389,35.383 11.536,35.383 11.536,34.647 13.412,34.647 13.412,32.462 13.314,32.364 13.304,32.374 11.028,32.374 11.028,30.586 11.028,30.272 10.389,30.252
  region net GND: 12.287,38.714 19.77,38.714 19.77,36.788 19.72,36.738 22.192,36.738 22.192,39.21 22.204,39.222 22.136,39.29 18.722,39.29 18.722,42.016 14.577,42.016 14.577,40.231 14.208,39.862 12.254,39.862 12.254,39.135
  region net GND: 26.776,26.776 20.915,26.776 19.918,25.779 19.918,25.76 17.378,25.76 17.124,26.014 16.362,25.252 16.362,23.728 18.14,23.728 18.114,23.702 18.114,22.718 25.506,22.718 25.506,22.966 25.506,24.49 26.776,24.49
  region net GND: 29.316,35.837 29.316,41 31.348,41 31.348,35.837
  region net 3V3DC: 50.624,36.848 56.328,36.848 56.494,36.682 56.494,35.158 59.288,35.158 59.288,38.46 50.652,38.46 50.624,38.432 50.624,36.864
  region net GND: 58.018,31.348 61.574,31.348 61.574,33.007 61.219,33.362 58.018,33.362
  region net FUSE_CAP: 10.567,66.635 10.774,66.842 10.774,78.846 13.822,78.846 13.822,66.908
  region net AC_LINE_2: 7.726,89.514 21.95,89.514 21.95,91.546 21.95,91.8 27.03,91.8 27.03,83.926 27.03,83.164 7.726,83.164
  region net 3V3DC: 58.018,14.838 64.368,14.838 64.368,8.742 58.018,8.742
  region net 5VDC: 53.446,7.472 53.446,10.266 50.805,10.266 50.398,10.673 50.398,14.584 48.362,14.584 48.362,8.234 51.16,8.234 51.414,7.98 51.414,7.472
  region net 3V3DC: 38.46,3.662 40.746,3.662 40.746,2.646 46.736,2.646 46.736,5.44 41,5.44 41,4.678 38.46,4.678
  region net GND: 3.662,58.636 3.662,58.272 3.662,52.43 5.44,52.43 5.694,52.176 5.694,46.842 3.662,46.842 3.408,46.588 3.408,41 10.478,41 13.018,43.54 13.822,43.54 13.822,46.842 10.774,46.842 10.774,59.034 10.774,59.288 3.662,59.288
  region net GND: 3.154,34.65 6.964,34.65 6.964,39.73 3.154,39.73 3.154,34.785
  region net 5VDC: 12.298,10.774 19.918,10.774 19.918,21.188 12.298,21.188 12.298,20.934
  region net 5VDC: 51.922,28.046 54.97,28.046 54.97,25.252 51.922,25.252
  region net VUSB: 56.136,26.372 56.136,27.147 57.647,27.147 57.764,27.03 57.764,25.76 56.136,25.76 56.136,25.897 56.136,25.927
  region net 3V3DC: 18.394,33.126 21.188,33.126 21.188,32.618 25.252,32.618 25.252,36.824 25.252,36.936 24.964,36.936 22.458,36.936 22.458,36.174 18.394,36.174 18.439,36.129 18.439,33.19
  region net 5VDC: 13.983,35.39 14.076,35.297 14.076,26.522 19.156,26.522 19.156,32.618 15.854,32.618 15.747,32.725 15.747,35.39 14.224,35.39
Bottom Layer:
  region net GND_S: 77.349,14.5 77.349,18.337 77.575,18.562 78.72,18.562 78.74,18.542 80.01,18.542 80.01,16.764 80.01,16.346 80.1,16.346 79.52,16.346 79.52,15.766 79.502,15.748 79.208,15.748 79.208,14.5
  region net 3V3DC_S: 69.277,7.456 69.088,7.646 69.088,9.144 66.294,9.144 66.294,12.446 69.088,12.446 70.332,11.202 70.332,8.656 70.424,8.565 70.424,7.472 70.409,7.456 69.339,7.456
  region net GND_S: 73.94,5.596 73.932,5.588 68.834,5.588 68.834,8.331 68.663,8.502 67.256,8.502 67.256,3.864 67.564,3.556 73.914,3.556 73.914,5.503 73.94,5.529
  region net 3V3DC_S: 83.82,5.842 92.71,5.842 92.71,2.286 92.456,2.032 83.82,2.032
  region net AC_BR_1: 26.014,64.114 cw(c28.3,64.114) 28.3,66.4 35.412,66.4 ccw(c35.412,67.924) 36.936,67.924 36.936,69.194 cw(c39.476,69.194) 39.476,71.734 41.254,71.734 cw(c41.254,71.226) 41.762,71.226 41.762,66.4 cw(c40.238,66.4) 40.238,64.876 35.92,64.876 ccw(c35.92,62.844) 33.888,62.844 cw(c32.11,62.844) 32.11,61.066 26.268,61.066 cw(c26.268,61.32) 26.014,61.32 26.014,61.828
  region net AC_BR_2: 21.696,61.066 ccw(c21.696,63.352) 23.982,63.352 23.982,64.876 cw(c26.522,64.876) 26.522,67.416 29.316,67.416 ccw(c29.316,69.956) 31.856,69.956 ccw(c30.84,69.956) 30.84,70.972 22.458,70.972 ccw(c22.458,69.194) 20.68,69.194 20.68,62.082 ccw(c21.696,62.082)
  region net FUSE_CAP: 16.324,61.443 19.56,61.443 ccw(c19.56,61.861) 19.856,61.565 ccw(c18.48,62.941) 20.426,62.941 20.426,64.995 ccw(c19.923,64.995) 20.279,65.35 19.211,66.418 ccw(c17.415,64.622) 17.415,67.162 11.028,67.162 10.7,66.834 ccw(c11.133,66.4) 10.52,66.4 10.52,62.187 ccw(c11.387,62.187) 10.774,61.574 ccw(c10.914,61.714) 10.914,61.516 16.324,61.516
  region net AC_RES: 42.016,98.15 cw(c44.556,98.15) 44.556,100.69 52.938,100.69 cw(c52.938,98.658) 54.97,98.658 54.97,94.34 cw(c52.43,94.34) 52.43,91.8 49.89,91.8 ccw(c49.89,90.022) 48.112,90.022 48.112,88.498 cw(c46.588,88.498) 46.588,86.974 43.032,86.974 cw(c43.032,87.99) 42.016,87.99
  region net AC_LINE_1: 7.726,100.182 cw(c8.234,100.182) 8.234,100.69 19.664,100.69 cw(c19.664,100.182) 20.172,100.182 20.172,90.784 7.726,90.784
  region net FUSE_CAP: 10.567,66.635 10.774,66.842 10.774,78.846 13.822,78.846 13.822,66.908
  region net AC_LINE_2: 7.726,89.514 21.95,89.514 21.95,91.546 21.95,91.8 27.03,91.8 27.03,83.926 27.03,83.164 7.726,83.164
  region net 3V3DC: 58.018,14.838 64.368,14.838 64.368,8.742 58.018,8.742
  region net 5VDC: 53.446,7.472 53.446,10.266 50.805,10.266 50.398,10.673 50.398,14.838 48.362,14.838 48.362,8.234 51.16,8.234 51.414,7.98 51.414,7.472
  region net 3V3DC: 38.46,3.662 40.746,3.662 40.746,2.646 46.736,2.646 46.736,5.44 41,5.44 41,4.678 38.46,4.678
  region net GND: 3.662,58.636 3.662,58.272 3.662,52.43 5.44,52.43 5.694,52.176 5.694,46.842 3.662,46.842 3.408,46.588 3.408,41 10.478,41 13.018,43.54 13.822,43.54 13.822,46.842 10.774,46.842 10.774,59.034 10.774,59.288 3.662,59.288
  region net GND: 3.154,34.65 6.964,34.65 6.964,39.73 3.154,39.73 3.154,34.785
  region net 5VDC: 12.298,10.774 19.918,10.774 19.918,21.188 12.298,21.188 12.298,20.934
Int1 (GND) (plane layer: these items are gaps in the copper):
  lines w0.2: 65.786,0.508 65.786,26.924 94.488,26.924 94.488,0.508 65.786,0.508
Int2 (PWR) (plane layer: these items are gaps in the copper):
  rectangle: 29.591,60.96 33.655,65.913
  rectangle: 24.511,53.213 28.829,56.769
  region: 0.254,65.532 0.254,104.267 64.77,104.267 64.77,66.04 64.262,65.532
  lines w0.2: 49.89,39.476 49.89,55.732 63.99,55.732 63.99,3.154 36.428,3.154 36.428,28.554 18.648,28.554 18.648,35.92 30.332,35.92 30.332,39.48 49.89,39.48 ; 65.669,26.939 94.488,26.939 94.488,0.616 65.786,0.616 65.786,26.924 ; 1.376,10.266 23.474,10.266 23.474,27.538 18.14,27.538 18.14,37.377 26.077,37.377 26.077,38.968 1.376,38.968 1.376,10.266

## Silkscreen, mask and mechanical layers (free items; w line width, h text height)
Top Overlay:
  drawing of 2321 lines, arcs and shapes, not listed
  text "AC" at 1.524,97.303 h2
  text "-" at 59.028,92.426 h2
  text "RL2" at 60.198,91.186 h2
  text "+" at 58.774,91.079 h2
  text "RL1" at 60.706,63.5 h2
  text "-" at 59.536,63.47 h2
  text "+" at 59.282,62.123 h2
  text "+12V" at 2.032,55.372 h2 r90
  text "USB" at 60.198,35.327 h2
  text "PIR" at 78.994,25.4 h1
  text "+5V" at 2.773,19.558 h2 r90
  text "PIR" at 90.287,11.674 h0.3 r90
  text "ADC" at 90.284,10.277 h0.3 r90
  text "LED" at 90.287,8.626 h0.3 r90
  text "GND" at 90.251,7.293 h0.3 r90
  text "3V3" at 90.251,5.769 h0.3 r90
  text "LED" at 78.486,4.572 h1
  text "GND" at 10.741,4.364 h0.3
  text "3V3" at 12.265,4.364 h0.3
  text "PIR" at 6.36,4.328 h0.3
  text "ADC" at 7.757,4.331 h0.3
  text "LED" at 9.408,4.328 h0.3
  text "SNSR" at 15.762,1.122 h1.5 r90
Route Tool Path:
  lines w0.5: 0,0 0,105 64.419,105 64.419,27.5 95,27.5 95,0 0.085,0 ; 65.151,7.874 65.151,9.779 ; 65.151,10.414 65.151,12.446 ; 65.151,13.081 65.151,15.113 ; 65.151,15.748 65.151,23.622 ; 65.151,24.257 65.151,26.162 ; 65.151,26.797 65.151,28.194 ; 65.151,0 65.151,7.239 65.151,0

## Text inside footprints (layer, text, board x,y; h text height)
D7: Top Overlay "+" at 77.148,13.11 h0.5; Top Overlay "-" at 80.848,13.266 h0.5
D8: Bottom Overlay "+" at 74.766,3.67 h0.5 r270; Bottom Overlay "-" at 74.922,7.37 h0.5 r270
D9: Top Overlay "+" at 22.952,36.022 h0.5; Top Overlay "-" at 26.652,36.178 h0.5
D10: Top Overlay "+" at 22.952,37.8 h0.5; Top Overlay "-" at 26.652,37.956 h0.5
D11: Top Overlay "+" at 22.952,39.578 h0.5; Top Overlay "-" at 26.652,39.734 h0.5
J7: Top Overlay "1" at 14.351,0.381 h0.5
J8: Bottom Overlay "1" at 94.234,3.556 h0.5 r90
S1: Top Overlay "G" at 77.985,21.491 h0.5; Top Overlay "S" at 81.485,21.491 h0.5; Top Overlay "D" at 78.985,17.736 h0.5